# Altium PCB Aixcel_Tiny_STLink_Board.PcbDoc (continued)
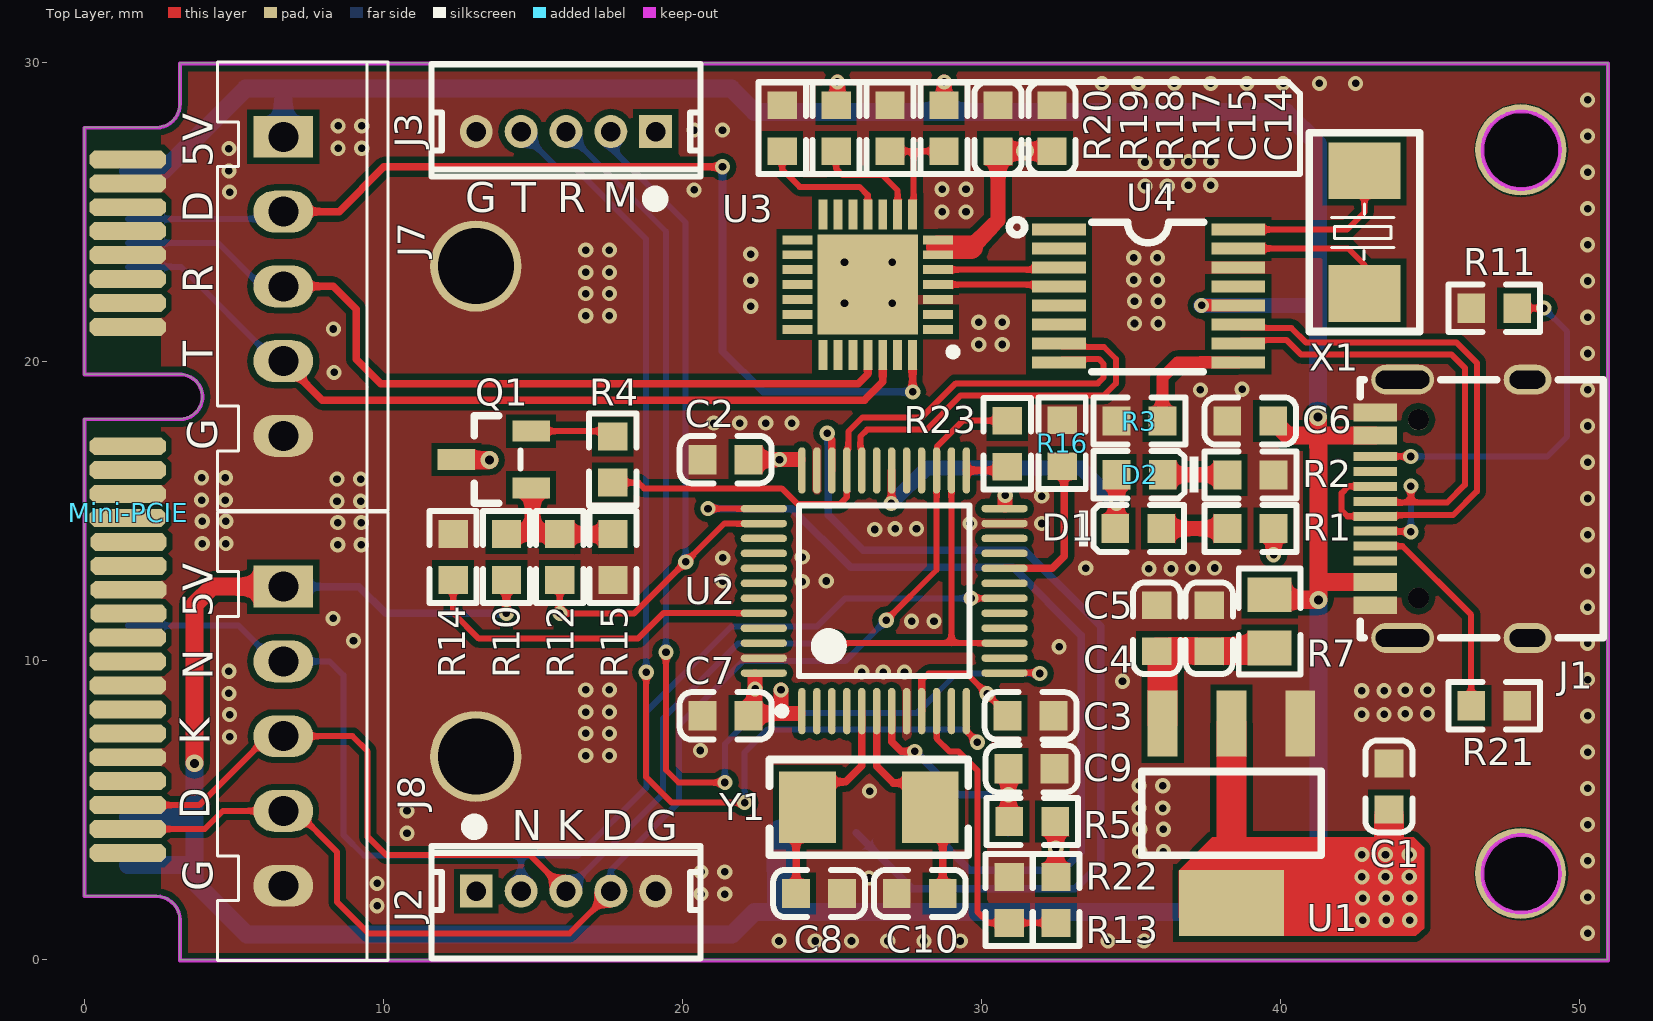
[diagram p0: Top Layer view]
## Part data
+5V CLK DIO GND RST: "测试点"
C1 C14: library part "0603 4.7uF (475) 10% 16V", "贴片电容", Package=0603, SuppliersPartNumber=C19666, ComponentLink1Description=供应商链接, ComponentLink1URL=http://www.szlcsc.com/product/details_20375.html, Supplier=LC
C2 C3 C4 C9 C15: library part "0603 100nF (104) 10% 50V", "贴片电容", Package=0603, SuppliersPartNumber=C14663, ComponentLink1Description=供应商链接, ComponentLink1URL=http://www.szlcsc.com/product/details_15331.html, Supplier=LC
C5 C6: library part "0603 10uF (106) 10% 10V", "贴片电容", Package=0603, SuppliersPartNumber=C19702, ComponentLink1Description=供应商链接, ComponentLink1URL=http://www.szlcsc.com/product/details_20411.html, Supplier=LC
C7: library part "0603 1uF (105) 10% 50V", "贴片电容", Package=0603, SuppliersPartNumber=C15849, ComponentLink1Description=供应商链接, ComponentLink1URL=http://www.szlcsc.com/product/details_16531.html, Supplier=LC
C8 C10: library part "0603 20pF (200) 5% 50V", "贴片电容", Package=0603, SuppliersPartNumber=C1648, ComponentLink1Description=供应商链接, ComponentLink1URL=http://www.szlcsc.com/product/details_2000.html, Supplier=LC
D1: library part "0603 红灯", "发光二极管", Package=0603, SuppliersPartNumber=C2286, ComponentLink1Description=供应商链接, ComponentLink1URL=http://www.szlcsc.com/product/details_2659.html, Supplier=LC
D2: library part "0603 绿灯", "发光二极管", Package=0603, SuppliersPartNumber=C72043, ComponentLink1Description=供应商链接, ComponentLink1URL=http://www.szlcsc.com/product/details_73152.html, Supplier=LC
J1: BOM_JLCPCB Part Class="Extended Part", BOM_Manufacturer=XUNPU, BOM_Manufacturer Part=TYPEC-304-BCP16, BOM_Supplier=LCSC, BOM_Supplier Part=C720629, Contributor=LCSC, spicePre=U, spiceSymbolName=TYPEC-304-BCP16
J2 J3 J7 J8: library part SIP-5
Q1: library part "SOT-23 MMBT5551  G1", "三极管", Package=SOT-23, SuppliersPartNumber=C2145, ComponentLink1Description=供应商链接, ComponentLink1URL=http://www.szlcsc.com/product/details_2502.html, Supplier=LC
R1 R11 R21: library part "0603 5.1KΩ (5101) 1%", "贴片电阻", Package=0603, SuppliersPartNumber=C23186, ComponentLink1Description=供应商链接, ComponentLink1URL=http://www.szlcsc.com/product/details_23913.html, Supplier=LC
R2 R5 R10 R14 R16 R20: library part "0603 10KΩ (1002) 1%", "贴片电阻", Package=0603, SuppliersPartNumber=C25804, ComponentLink1Description=供应商链接, ComponentLink1URL=http://www.szlcsc.com/product/details_26547.html, Supplier=LC
R3: library part "0603 2.7KΩ (2701) 1%", "贴片电阻", Package=0603, SuppliersPartNumber=C13167, ComponentLink1Description=供应商链接, ComponentLink1URL=http://www.szlcsc.com/product/details_13814.html, Supplier=LC
R4: library part "0603 1.5KΩ (1501) 1%", "贴片电阻", Package=0603, SuppliersPartNumber=C22843, ComponentLink1Description=供应商链接, ComponentLink1URL=http://www.szlcsc.com/product/details_23570.html, Supplier=LC
R7: library part "0805 0Ω (0R0) 1%", "贴片电阻", Package=0805, SuppliersPartNumber=C17477, ComponentLink1Description=供应商链接, ComponentLink1URL=http://www.szlcsc.com/product/details_18165.html, Supplier=LC
R12 R23: library part "0603 100Ω (1000) 1%", "贴片电阻", Package=0603, SuppliersPartNumber=C22775, ComponentLink1Description=供应商链接, ComponentLink1URL=http://www.szlcsc.com/product/details_23502.html, Supplier=LC
R13 R22: library part "0603 4.7KΩ (4701) 1%", "贴片电阻", Package=0603, SuppliersPartNumber=C23162, ComponentLink1Description=供应商链接, ComponentLink1URL=http://www.szlcsc.com/product/details_23889.html, Supplier=LC
R15: library part "0603 36KΩ (3602) 1%", "贴片电阻", Package=0603, SuppliersPartNumber=C23147, ComponentLink1Description=供应商链接, ComponentLink1URL=http://www.szlcsc.com/product/details_23874.html, Supplier=LC
R17: library part "0603 22KΩ (2202) 1%", "贴片电阻", Package=0603, SuppliersPartNumber=C31850, ComponentLink1Description=供应商链接, ComponentLink1URL=http://www.szlcsc.com/product/details_32812.html, Supplier=LC
R18: library part "0603 47KΩ (4702) 1%", "贴片电阻", Package=0603, SuppliersPartNumber=C25819, ComponentLink1Description=供应商链接, ComponentLink1URL=http://www.szlcsc.com/product/details_26562.html, Supplier=LC
R19: library part "0603 2.2KΩ (2201) 1%", "贴片电阻", Package=0603, SuppliersPartNumber=C4190, ComponentLink1Description=供应商链接, ComponentLink1URL=http://www.szlcsc.com/product/details_4597.html, Supplier=LC
U1: library part "SOT-223 AMS1117-3.3", "低压差线性稳压(LDO)", Package=SOT-223, SuppliersPartNumber=C6186, ComponentLink1Description=供应商链接, ComponentLink1URL=http://www.szlcsc.com/product/details_6652.html, Supplier=LC
U2: "ARM Cortex-M3 32-bit MCU, 128 KB Flash, 20 KB Internal RAM, 37 I/Os, 48-pin LQFP, -40 to 85 degC, Tray", I/Os (High Current)=37, Operating Frequency(F) (Processor speed) (MHz)=72, Supplier Part Number 1=497-6288-ND, Supply Voltage(Vcc) min (V)=2, A/D Converter="2x12-bit (10 Channel)", ComponentLink1Description="Manufacturer URL", ComponentLink1URL=http://www.st.com/web/en/home.html, ComponentLink2Description=Datasheet, ComponentLink2URL=http://www.st.com/st-web-ui/static/active/en/resource/technical/document/datasheet/CD00161566.pdf, ComponentLink3Description="Package Specification", ComponentLink3URL=http://www.st.com/st-web-ui/static/active/en/resource/technical/document/datasheet/DM00058181.pdf, Core="ARM Cortex-M3", DatasheetVersion="Rev. 16", FLASH Size (Prog) (kB)=128, Internal RAM Size (kB)=20, Mounting Technology="Surface Mount", PackageDescription="48-Pin Low Profile Quad Flat Package, 7 x 7 mm Body, 0.5 mm Pitch", PackageReference=LQFP48, PackageVersion="Rev. 6, 06/2013", Packing=Tray, PartNumber=STM32F103CBT6, Supplier 1=Digi-Key, Supplier 2=Farnell, Supplier 3=Newark, Supplier 4=Newark, Supplier 5=Mouser, Supplier Part Number 2=1606327, Supplier Part Number 3=11N8296, Supplier Part Number 4=57P1214, Supplier Part Number 5=511-STM32F103CBT6
U3: "Integrated Circuit", Manufacturer_Name="Silicon Labs", Mouser2 Part Number=634-CP2102NA02GQFN28, Datasheet Link=https://componentsearchengine.com/Datasheets/1/CP2102N-A02-GQFN28.pdf, Height=0.8mm, Manufacturer_Part_Number=CP2102N-A02-GQFN28, Mouser2 Price/Stock=https://www.mouser.com/Search/Refine.aspx?Keyword=634-CP2102NA02GQFN28
U4: BOM_LCSC Assembly=Yes, BOM_Supplier=zhqsoft, Contributor=私有工程, SMT Type=Extend, spicePre=U, spiceSymbolName=FE8.1
X1: BOM_JLCPCB Part Class="Extended Part", BOM_Manufacturer=YXC, BOM_Manufacturer Part=X503212MSD2GC, BOM_Supplier=LCSC, BOM_Supplier Part=C33728, nameAlias=Frequency, spicePre=X, spiceSymbolName=X503212MSD2GC
Y1: library part "SMD-5032_2P 8MHz 20ppm 20pF", "贴片晶振", Package=SMD-5032_2P, SuppliersPartNumber=C115962, ComponentLink1Description=供应商链接, ComponentLink1URL=http://www.szlcsc.com/product/details_117214.html, Supplier=LC

## Free pads (board coordinates)
  round 3.048 hole 2.54: 0(48.047,27.089) 1(48.038,2.889) 2(13.1,6.8) 3(13.1,23.2)

## Via types
v1: diameter 0.508, hole 0.254, Top Layer to Bottom Layer, tented both sides, 223 vias
v2: diameter 0.6, hole 0.3, Top Layer to Bottom Layer, tented both sides, 5 vias

## Nets (pads, with @x,y where several pads share a name; then routed paths per layer and width w, separated by ;. In a path a pad name is that pad's centre, name@x,y a point inside that pad or via, vN(x,y) a via of type N, cw(c..) or ccw(c..) an arc to the next point about the centre after c; other vN are vias at no path point)
BOOT0: R14.2 U2.44 | length 12.2
  Top Layer w0.2: R14.2 12.342,11.598 13.2,10.74 18.518,10.74 19.37,11.592 U2.44
CDC_RX: J3.3 U2.13 | length 38.8
  Top Layer w0.2: v1(19.46,10.29) 19.46,6.35 19.88,5.93 v1(21.43,5.93) ; U2.13 30.793,9.602 v1@31.906,9.602
  Bottom Layer w0.2: J3.3 19.46,24.356 v1(19.46,10.29) ; J3.3@16.116,27.824 J3.3@16.116,27.85 ; v1(21.43,5.93) 21.43,7.22 22.46,8.25 27.85,8.25 29.176,9.576 v1(31.96,9.576)
CDC_TX: J3.4 U2.12 | length 38
  Top Layer w0.2: v1(18.8,9.62) 18.8,6.11 19.65,5.26 v1(22.09,5.26) ; U2.12@29.508,7.81 29.508,7.653 v1@29.881,7.281
  Bottom Layer w0.2: J3.4 15.856,26.46 16.44,26.46 18.8,24.1 v1(18.8,9.62) ; v1(22.09,5.26) 22.09,6.94 22.86,7.71 29.442,7.71 v1(29.876,7.276)
CP2102_FS_N: U3.5 U4.3 | length 4.1
  Top Layer w0.2: U3.5 32.456,23.08 U4.3@32.598,23.222
CP2102_FS_P: U3.4 U4.4 | length 4
  Top Layer w0.2: U3.4 28.564,22.584 32.594,22.584 U4.4@32.598,22.587
DTR_SIG: J7.2 Mini-PCIE.6 U3.28 | length 34.8
  Top Layer w0.254: J7.2 8.534,25.024 10.03,26.52 v1(21.35,26.52) ; v1@27.71,19.084 U3.28
  Bottom Layer w0.2: Mini-PCIE.6 6.416,24.776 J7.2
  Bottom Layer w0.254: v1(21.35,26.52) 21.35,20.36 22.716,18.994 v1(27.71,18.994)
GND: C1.1 C2.2 C3.2 C4.1 C5.1 C6.1 C7.2 C8.1 C9.2 C10.1 C14.1 C15.1 GND.1 J1.13 J1.14 J1.15 J1.16 J1.A1B12 J1.B1A12 J2.5 J3.5 J7.5 J8.5 Mini-PCIE.3 Mini-PCIE.9 Mini-PCIE.12 Mini-PCIE.15 Mini-PCIE.18 Mini-PCIE.21 Mini-PCIE.26 Mini-PCIE.29 Mini-PCIE.34 Mini-PCIE.37 Mini-PCIE.40 Mini-PCIE.43 pad.0 pad.1 pad.2 pad.3 R2.2 R3.2 R11.1 R14.1 R15.1 R16.1 R18.1 R20.2 R21.2 R22.1 U1.1 U2.8 U2.23 U2.35 U2.47 U3.3 U3.29 U4.14
  other v1: 23.24,0.63 24.452,0.63 25.664,0.63 26.875,0.63 28.087,0.63 29.299,0.63 34.238,0.63 35.45,0.63 50.28,0.888 9.8,1.811 50.28,2.1 20.635,2.198 21.425,2.198 9.8,2.555 26.25,2.736 20.635,2.942 21.425,2.942 50.28,3.312 35.305,3.622 36.095,3.622 10.8,4.236 35.305,4.366 36.095,4.366 50.28,4.524 10.8,4.98 35.282,5.076 36.073,5.076 26.27,5.644 50.28,5.735 35.282,5.82 36.073,5.82 16.777,6.83 17.568,6.83 50.28,6.947 20.612,7 4.868,7.456 16.777,7.574 17.568,7.574 50.28,8.159 4.868,8.2 42.73,8.207 43.474,8.207 44.184,8.23 44.928,8.23 16.777,8.284 17.568,8.284 4.845,8.91 42.73,8.998 43.474,8.998 16.777,9.028 17.568,9.028 44.184,9.021 44.928,9.021 34.726,9.316 50.28,9.371 26.01,9.622 26.724,9.622 27.438,9.622 4.845,9.654 32.606,10.472 50.28,10.583 9.01,10.671 27.676,11.322 28.424,11.322 8.33,11.419 50.28,11.794 24.016,12.648 21.36,12.671 24.818,12.671 50.28,13.006 33.498,13.1 35.61,13.082 36.354,13.082 37.064,13.105 37.808,13.105 21.36,13.441 24.016,13.469 8.481,13.88 9.272,13.88 3.955,13.922 4.745,13.922 50.28,14.218 26.444,14.393 27.124,14.416 27.838,14.416 29.627,14.592 32.028,14.592 8.481,14.624 9.272,14.624 3.955,14.666 4.745,14.666 8.458,15.334 9.249,15.334 3.932,15.376 4.723,15.376 50.28,15.43 32.028,15.51 8.458,16.078 9.249,16.078 3.932,16.12 4.723,16.12 50.28,16.642 50.28,17.854 21.055,17.95 21.927,17.95 22.798,17.95 23.67,17.95 37.332,19.059 50.28,19.065 38.726,19.082 8.361,19.644 50.28,20.277 29.918,20.58 30.709,20.58 8.338,21.098 35.127,21.28 35.918,21.28 29.918,21.324 30.709,21.324 50.28,21.489 16.777,21.537 17.568,21.537 22.294,21.859 25.432,21.964 27.03,21.964 35.127,22.024 35.918,22.024 16.777,22.281 17.568,22.281 50.28,22.701 22.294,22.729 35.105,22.734 35.895,22.734 16.777,22.991 17.568,22.991 25.432,23.324 27.03,23.324 35.105,23.478 35.895,23.478 22.294,23.6 16.777,23.735 17.568,23.735 50.28,23.913 28.693,25.012 29.494,25.012 50.28,25.125 4.868,25.674 20.4,25.75 28.693,25.772 29.494,25.772 35.48,25.882 36.224,25.882 36.934,25.905 37.678,25.905 50.28,26.336 4.845,26.384 35.48,26.673 36.224,26.673 36.934,26.695 37.678,26.695 4.845,27.128 8.495,27.144 9.286,27.144 50.28,27.548 20.4,27.75 21.35,27.75 8.495,27.888 9.286,27.888 50.28,28.76 34.04,29.31 35.252,29.31 36.464,29.31 37.675,29.31 38.887,29.31 40.099,29.31 41.311,29.31 42.523,29.31
LED_STLINK: D1.K D2.A U2.30 | length 11.5
  Top Layer w0.2: v1@26.996,15.198 v1@27.002,15.204 ; U2.30@27.002,16.361 U2.30
  Top Layer w0.254: v1@27.002,15.204 U2.30@27.002,16.361
  Top Layer w0.5: D1.K 34.53,14.47 D2.A
  Bottom Layer w0.5: v1(26.996,15.266) 28.186,16.456 33.332,16.456 v1(34.522,15.266)
MCU_FS_N: U2.32 U4.7 | length 13.4
  Top Layer w0.2: U2.32 26.008,17.031 25.958,17.081 25.958,17.502 26.188,17.732 28.172,17.732 29.318,18.878 34.11,18.878 34.51,19.278 34.51,20.094 34.107,20.497 33.517,20.497 33.503,20.511 32.701,20.511 U4.7
MCU_FS_P: R4.1 U2.33 U4.8 | length 21.8
  Top Layer w0.2: R4.1 18.538,15.962 18.73,15.77 23.33,15.77 23.853,15.247 25.283,15.247 25.508,15.472 U2.33 25.508,17.031 25.558,17.081 25.558,17.667 26.031,18.14 28.014,18.14 29.152,19.278 33.903,19.278 34.098,19.473 34.098,19.928 33.929,20.097 33.517,20.097 33.503,20.083 32.701,20.083 U4.8
NetC8_2: C8.2 U2.5 Y1.1 | length 6.6
  Top Layer w0.254: C8.2 Y1.1@23.812,4.714 ; Y1.1@23.88,4.714 24.266,5.1 Y1.1@24.266,5.35 ; Y1.1@24.786,5.95 25.466,5.95 26.008,6.492 U2.5
NetC10_2: C10.2 U2.6 Y1.2 | length 7.5
  Top Layer w0.254: U2.6 26.508,6.472 27.064,5.916 Y1.2@27.475,5.916 ; Y1.2@27.475,5.95 28.298,5.127 Y1.2 ; Y1.2@28.366,5.35 28.366,5.1 Y1.2@28.786,4.68 ; C10.2 Y1.2@28.718,4.68
NetD1_A: D1.A R1.2 | length 2.2
  Top Layer w0.5: D1.A R1.2
NetD2_K: D2.K R2.1 | length 2.2
  Top Layer w0.5: D2.K 36.075,16.222 38.232,16.222 R2.1
NetJ1_A5: J1.A5 R21.1 | length 7.2
  Top Layer w0.2: J1.A5 44.09,13.834 46.388,11.536 R21.1
NetJ1_B5: J1.B5 R11.2 | length 12.2
  Top Layer w0.2: J1.B5 v1(44.368,16.834) ; R11.2 v1(48.812,21.794)
  Bottom Layer w0.2: v1(44.368,16.834) 48.93,16.834 49.59,17.494 49.59,21.016 v1(48.812,21.794)
NetQ1_1: Q1.1 R10.1 R12.2 R15.2 | length 5.1
  Top Layer w0.5: R10.1 15,14.238 ; Q1.1 15,15.734 15,14.238 ; R15.2 15,14.238
NetQ1_2: Q1.2 R4.2 | length 2.9
  Top Layer w0.2: Q1.2@14.884,17.682 17.5,17.682 R4.2
NetR3_1: R3.1 U4.9 | length 3.9
  Top Layer w0.4: R3.1@36.062,18.326 36.062,19.47 36.571,19.979 U4.9
NetR13_1: R13.1 R22.2 U2.10 | length 10.2
  Top Layer w0.2: U2.10 28.518,8.307 28.518,7.386 28.934,6.97 29.24,6.97 29.886,6.324 29.886,1.598 30.248,1.236 R22.2 R13.1
NetR16_2: R16.2 U2.20 | length 5.2
  Top Layer w0.254: U2.20 32.37,13.092 32.773,13.495 R16.2@32.773,16.505
NetR17_2: R17.2 R18.2 U3.8 | length 3.9
  Top Layer w0.2: R18.2 27.744,27.042 ; U3.8 27.744,24.964 27.744,27.042 ; R17.2@28.734,27.042 27.744,27.042
NetR19_2: R19.2 U3.9 | length 3.7
  Top Layer w0.2: R19.2 25.15,26.462 25.364,26.248 26.69,26.248 27.208,25.73 27.208,24.932 U3.9
NetR20_1: R20.1 U3.11 | length 4.5
  Top Layer w0.2: R20.1 23.345,26.431 23.928,25.848 25.934,25.848 26.21,25.572 U3.11
NetU4_15: U4.15 X1.2 | length 5.4
  Top Layer w0.2: U4.15 42.273,23.79 42.819,23.243 X1.2
NetU4_16: U4.16 X1.1 | length 5.8
  Top Layer w0.2: U4.16 42.24,24.425 42.819,25.003 X1.1
NRST: C9.1 R5.1 RST.1 U2.7 | length 8.7
  Top Layer w0.2: R5.1@30.918,4.646 R5.1
  Top Layer w0.254: U2.7 27.008,7.298 27.336,6.97 v1(27.778,6.97)
  Top Layer w0.5: R5.1@30.918,4.646 v1(30.918,5.519) C9.1
  Bottom Layer w0.254: v1(27.778,6.97) 29.229,5.519 v1(30.918,5.519) 30.912,5.513 30.912,4.256 RST.1
RXD: J7.3 Mini-PCIE.8 U3.25 | length 28.1
  Top Layer w0.254: J7.3 8.326,22.524 9.1,21.75 9.1,20.088 9.928,19.26 25.89,19.26 26.21,19.58 U3.25@26.21,19.89
  Bottom Layer w0.2: Mini-PCIE.8 4.48,23.975 5.932,22.524 J7.3
SWCLK: CLK.1 U2.37 | length 29.3
  Top Layer w0.2: v1(20.866,15.092) U2.37
  Top Layer w0.254: v1@20.789,14.994 20.866,14.994 v1(20.866,15.092)
  Bottom Layer w0.254: v1(20.866,15.092) 23.668,15.092 25.636,13.124 31.076,13.124 33.354,10.846 33.354,3.622 32.724,2.992 29.624,2.992 CLK.1
SWDIO: DIO.1 U2.34 | length 31.9
  Top Layer w0.254: v1(24.854,17.612) 24.854,17.543 25.006,17.391 25.006,16.369 U2.34
  Bottom Layer w0.254: v1@24.888,17.612 24.888,14.878 26.064,13.702 31.45,13.702 34,11.152 34,3.23 33.15,2.38 27.696,2.38 DIO.1
T_NRST: J2.2 J8.2 Mini-PCIE.32 U2.18 | length 41.9
  Top Layer w0.2: v1(29.661,12.092) U2.18
  Bottom Layer w0.2: Mini-PCIE.32 5.168,11.176 6.364,9.98 J8.2 8.21,9.98 8.67,9.52 8.67,4.182 9.362,3.49 14.616,3.49 ; J2.2 14.616,3.49 ; v1(29.661,12.092) 25.454,12.092 24.514,11.152 21.65,11.152 18.812,8.314 18.812,5.778 16.524,3.49 14.616,3.49
T_SWCLK: J2.3 J8.3 Mini-PCIE.47 U2.15 U2.26 | length 44.9
  Top Layer w0.2: Mini-PCIE.47 3.85,5.176 6.154,7.48 J8.3 8.976,7.48 9.486,6.97 9.486,4.114 10.09,3.51 14.906,3.51 J2.3 ; v1(25.166,10.592) 29.008,10.592 ; U2.26 29.008,10.592 ; U2.15 29.008,10.592
  Bottom Layer w0.2: J2.3@16.028,2.208 J2.3@16.118,2.208 ; J2.3 19.356,5.54 19.356,8.066 21.877,10.587 v1@25.14,10.587 ; v1@25.14,10.57 v1@25.162,10.592
T_SWDIO: J2.4 J8.4 Mini-PCIE.49 R23.2 U2.27 | length 43.9
  Top Layer w0.2: Mini-PCIE.49 4.036,4.376 4.64,4.98 J8.4 7.09,4.98 8.466,3.604 8.466,1.928 9.51,0.884 16.234,0.884 J2.4@17.633,2.283 ; v1(26.826,11.356) 28.508,13.038 U2.27 28.518,16.377 28.518,17.162 29.387,18.032 R23.2
  Bottom Layer w0.2: J2.4@17.616,2.208 J2.4 17.616,3.002 19.9,5.286 19.9,7.858 22.042,10 25.47,10 v1(26.826,11.356)
T_SWDIO_IN: R23.1 U2.25 | length 1.4
  Top Layer w0.254: U2.25 30.747,16.367 R23.1
TXD: J7.4 Mini-PCIE.10 U3.26 | length 28.2
  Top Layer w0.254: J7.4 6.705,19.983 7.968,18.72 26.098,18.72 26.71,19.332 U3.26
  Bottom Layer w0.2: Mini-PCIE.10 3.243,23.175 6.394,20.024 J7.4
USB_N: J1.A7 J1.B7 U4.10 | length 18
  Top Layer w0.2: U4.10 38.701,20.718 39.503,20.718 39.517,20.732 40.208,20.732 40.702,20.238 45.736,20.238 46.176,19.797 46.176,15.882 45.587,15.293 44.37,15.293 ; J1.B7 43.187,14.324 44.36,14.324 v1(44.37,14.314) ; J1.A7@43.656,15.293 44.37,15.293 ; v1@44.37,15.854 v1(44.37,15.844) 44.37,15.293
  Bottom Layer w0.2: v1(44.37,14.314) v1(44.37,15.844) v1@44.387,15.827 ; v1@44.387,14.331 v1@44.404,14.314
USB_P: J1.A6 J1.B6 U4.11 | length 19
  Top Layer w0.2: U4.11 38.701,21.146 39.503,21.146 39.517,21.132 40.374,21.132 40.868,20.638 45.901,20.638 46.576,19.963 46.576,15.67 45.779,14.873 J1.A6@43.656,14.873 ; J1.A6 42.252,14.834 42.058,15.028 42.058,15.606 42.286,15.834 J1.B6
USB_RENUM: J3.2 R12.1 U2.38 | length 24.8
  Top Layer w0.2: R12.1@15.904,12.69 15.912,12.682 v1(15.912,11.587) ; v1@15.912,11.545 v1(15.912,11.587) ; U2.38 21.412,14.592 20.13,13.31 v1(20.12,13.31) 18.397,11.587 v1(15.912,11.587)
  Bottom Layer w0.2: J3.2@17.616,27.85 17.616,27.164 20.12,24.66 v1(20.12,13.31)
VBUS_5V: +5V.1 C6.2 J1.A4B9 J1.B4A9 J7.1 J8.1 Mini-PCIE.2 Mini-PCIE.48 Mini-PCIE.52 R7.2 R10.2 R17.1 U4.12 | length 150.3
  Top Layer w0.254: v1(14.124,11.587) R10.2@14.124,12.698
  Top Layer w0.4: v1@37.34,21.884 v1(37.374,21.884) U4.12
  Top Layer w0.5: R17.1@28.764,28.587 v1(28.764,29.36)
  Top Layer w0.6: v2(3.692,6.574) 3.692,11.886 4.286,12.48 J8.1 ; R17.1 R17.1@28.764,28.587 ; R7.2@39.5,12.036 v2(41.276,12.036) 41.276,12.634 ; C6.2 40.254,17.534 41.264,17.534 ; v2(41.264,18.156) 41.264,17.534 ; 41.276,17.5 41.276,17.158 ; 41.412,17.534 J1.B4A9 ; J1.A4B9 41.276,12.634 ; 41.264,17.534 41.264,17.17 41.276,17.158 ; 41.276,12.634 41.276,17.158
  Bottom Layer w0.254: J8.1 9.19,12.48 10.083,11.587 v1(14.124,11.587)
  Bottom Layer w0.4: J8.1@6.368,12.776 J8.1 ; 41.106,21.884 41.264,21.726
  Bottom Layer w0.5: 28.764,28.322 28.764,28.356 v1(28.764,29.36) ; v1@37.34,21.884 v1(37.374,21.884) 41.106,21.884
  Bottom Layer w0.6: Mini-PCIE.52 3.692,3.176 ; Mini-PCIE.48 3.638,4.776 ; Mini-PCIE.2 2.644,26.376 5.406,29.138 6.596,29.138 ; v2(3.692,6.574) 3.692,3.176 ; J7.1 6.664,29.138 21.646,29.138 22.428,28.356 28.764,28.356 40.188,28.356 41.264,27.28 41.264,21.726 v2(41.264,18.156) ; v2(41.276,12.036) 41.276,2.55 40.326,1.6 22.419,1.6 21.669,0.85 5.44,0.85 3.692,2.598 3.692,3.176
  Bottom Layer w0.9: 23.286,1.771 +5V.1
VCC_3V3: C1.2 C2.1 C3.1 C7.1 C14.2 C15.2 J2.1 J3.1 Q1.3 R1.1 R5.2 R13.2 R19.1 U1.2 U2.1 U2.9 U2.24 U2.36 U2.48 U3.6 U3.7 | length 27.9
  Top Layer w0.2: U2.9 U2.9@28.018,8.327 ; 28.018,9.352 28.242,9.576 29.519,9.576 C3.1@30.935,8.16
  Top Layer w0.254: U2.9@28.018,8.327 28.018,9.352
  Top Layer w0.3: U3.6 28.56,23.83 U3.7
  Top Layer w0.5: Q1.3@12.384,16.732 Q1.3@12.403,16.713 ; v2(13.564,16.713) v2@13.566,16.711 ; C7.1 C7.1@22.303,8.239 ; C2.1@22.405,16.547 C2.1 23.883,16.728 ; 22.439,9.467 22.439,8.375 C7.1@22.303,8.239 ; v1(23.307,9.027) 23.305,9.025 23.305,8.254 23.29,8.239 ; 23.883,8.239 23.29,8.239 ; R19.1 25.194,28.626 v1(25.194,29.36) ; 29.663,23.83 30.563,24.731 C15.2 ; 30.802,15.217 v1(30.804,15.538) v1(30.804,15.538) ; R5.2 32.492,4.612 32.492,2.788 R13.2 ; R1.1 39.777,14.423 39.777,13.551 v1(39.778,13.55) ; C7.1@22.303,8.239 23.29,8.239
  Top Layer w0.6: Q1.3@12.403,16.713 v2(13.564,16.713) ; C15.2 v2(31.466,27.042) C14.2
  Top Layer w0.8: 28.56,23.83 29.663,23.83
  Top Layer w1: 38.37,3.57 U1.2@38.37,7.9 ; v1@43.64,3.58 C1.2@43.64,4.81
  other v1: 42.755,1.322 43.545,1.322 44.336,1.322 42.755,2.066 43.545,2.066 44.336,2.066 42.732,2.776 43.523,2.776 44.313,2.776 42.732,3.52 43.523,3.52 44.313,3.52 32.492,3.74 30.2,8.9 22.44,9.061 23.256,16.728
VCC_5V: C4.2 C5.2 R7.1 U1.3 | length 6
  Top Layer w0.9: C5.2 35.885,10.335 39.405,10.335 R7.1@39.5,10.43
  Top Layer w1: U1.3 C5.2@36.07,10.27
pads on no net: J1. J1.A8 J1.B8 Mini-PCIE.1 Mini-PCIE.4 Mini-PCIE.5 Mini-PCIE.7 Mini-PCIE.11 Mini-PCIE.13 Mini-PCIE.14 Mini-PCIE.16 Mini-PCIE.17 Mini-PCIE.19 Mini-PCIE.20 Mini-PCIE.22 Mini-PCIE.23 Mini-PCIE.24 Mini-PCIE.25 Mini-PCIE.27 Mini-PCIE.28 Mini-PCIE.30 Mini-PCIE.31 Mini-PCIE.33 Mini-PCIE.35 Mini-PCIE.36 Mini-PCIE.38 Mini-PCIE.39 Mini-PCIE.41 Mini-PCIE.42 Mini-PCIE.44 Mini-PCIE.45 Mini-PCIE.46 Mini-PCIE.50 Mini-PCIE.51 U2.2 U2.3 U2.4 U2.11 U2.14 U2.16 U2.17 U2.19 U2.21 U2.22 U2.28 U2.29 U2.31 U2.39 U2.40 U2.41 U2.42 U2.43 U2.45 U2.46 U3.1 U3.2 U3.10 U3.12 U3.13 U3.14 U3.15 U3.16 U3.17 U3.18 U3.19 U3.20 U3.21 U3.22 U3.23 U3.24 U3.27 U4.1 U4.2 U4.5 U4.6 U4.13

## Polygon pours and split planes (outlines as drawn)
GND on Top Layer "Top Layer-GND" (solid, remove dead copper, pour order 14): 2.58,0.012 2.608,-0.016 50.957,-0.016 50.957,29.984 2.58,29.984
no net on Top Layer "Top Layer-No Net 1" (solid, remove dead copper, pour order 8): 2.584,0.004
no net on Top Layer "Top Layer-No Net" (solid, remove dead copper, pour order 2): 0.01,-0.019
GND on Bottom Layer "Bottom Layer-GND" (solid, remove dead copper, pour order 16): 2.623,0.011 50.966,0.011 50.966,30.011 2.589,30.011 2.589,0.034
no net on Bottom Layer "Bottom Layer-No Net 1" (solid, remove dead copper, pour order 12): 2.483,-0.018
no net on Bottom Layer "Bottom Layer-No Net" (solid, remove dead copper, pour order 6): 2.483,-0.018
GND on GND Layer (split plane): 50.442,0.51 3.711,0.51 3.711,1.343 3.71,1.352 3.702,1.489 3.678,1.634 3.637,1.775 3.581,1.911 3.51,2.04 3.425,2.159 3.327,2.269 3.217,2.367 3.098,2.452 2.969,2.523 2.833,2.579 2.692,2.62 2.547,2.644 2.41,2.652 2.401,2.653 0.51,2.653 0.51,17.588 3.201,17.588 3.206,17.589 3.345,17.596 3.484,17.62 3.619,17.659 3.749,17.713 3.872,17.781 3.987,17.862 4.092,17.956 4.185,18.061 4.267,18.175 4.335,18.298 4.389,18.428 4.427,18.564 4.451,18.702 4.459,18.843 4.451,18.983 4.427,19.122 4.389,19.257 4.335,19.387 4.267,19.51 4.185,19.624 4.092,19.729 3.987,19.823 3.872,19.904 3.749,19.972 3.619,20.026 3.484,20.065 3.345,20.089 3.287,20.092 3.277,20.093 3.248,20.096 0.516,20.096 0.516,27.332 2.401,27.332 2.41,27.333 2.547,27.341 2.692,27.365 2.833,27.406 2.969,27.462 3.098,27.533 3.217,27.618 3.327,27.716 3.425,27.826 3.51,27.946 3.581,28.074 3.637,28.21 3.678,28.351 3.702,28.496 3.71,28.633 3.711,28.643 3.711,29.482 50.442,29.482
VCC_3V3 on PWR Layer (split plane): 50.442,0.51 3.711,0.51 3.711,1.343 3.71,1.352 3.702,1.489 3.678,1.634 3.637,1.775 3.581,1.911 3.51,2.04 3.425,2.159 3.327,2.269 3.217,2.367 3.098,2.452 2.969,2.523 2.833,2.579 2.692,2.62 2.547,2.644 2.41,2.652 2.401,2.653 0.51,2.653 0.51,17.588 3.201,17.588 3.206,17.589 3.345,17.596 3.484,17.62 3.619,17.659 3.749,17.713 3.872,17.781 3.987,17.862 4.092,17.956 4.185,18.061 4.267,18.175 4.335,18.298 4.389,18.428 4.427,18.564 4.451,18.702 4.459,18.843 4.451,18.983 4.427,19.122 4.389,19.257 4.335,19.387 4.267,19.51 4.185,19.624 4.092,19.729 3.987,19.823 3.872,19.904 3.749,19.972 3.619,20.026 3.484,20.065 3.345,20.089 3.287,20.092 3.277,20.093 3.248,20.096 0.516,20.096 0.516,27.332 2.401,27.332 2.41,27.333 2.547,27.341 2.692,27.365 2.833,27.406 2.969,27.462 3.098,27.533 3.217,27.618 3.327,27.716 3.425,27.826 3.51,27.946 3.581,28.074 3.637,28.21 3.678,28.351 3.702,28.496 3.71,28.633 3.711,28.643 3.711,29.482 50.442,29.482

## Other copper
Top Layer:
  region net VCC_3V3: 36.613,2.983 37.73,4.1 44.46,4.1 44.81,3.75 44.81,1.052 44.53,0.81 37.213,0.81 36.613,1.41
Bottom Layer:
  region net VCC_3V3: 44.46,0.92 44.728,1.188 44.728,3.692 44.464,3.956 42.566,3.956 42.3,3.69 42.3,1.18 42.56,0.92

## Silkscreen, mask and mechanical layers (free items; w line width, h text height)
Top Overlay:
  circle w0.6: c13.05,4.45 r0.141
  circle w0.6: c19.1,25.45 r0.141
  lines w0.2: 38.281,29.355 40.275,29.355 40.664,28.966 40.664,26.285 22.56,26.285 22.56,29.355 38.621,29.355
  text "5V" at 4.3,26.5 h1 r90
  text "G" at 12.75,25 h1
  text "T" at 14.283,25 h1
  text "R" at 15.817,25 h1
  text "M" at 17.35,25 h1
  text "D" at 4.3,24.65 h1 r90
  text "R" at 4.3,22.3 h1 r90
  text "T" at 4.3,19.85 h1 r90
  text "G" at 4.45,17.05 h1 r90
  text "5V" at 4.3,11.45 h1 r90
  text "N" at 4.3,9.371 h1 r90
  text "K" at 4.2,7.2 h1 r90
  text "D" at 4.2,4.7 h1 r90
  text "N" at 14.3,4 h1
  text "K" at 15.8,4 h1
  text "D" at 17.3,4 h1
  text "G" at 18.8,4 h1
  text "G" at 4.3,2.3 h1 r90
Bottom Overlay:
  lines w0.2: 33.114,21.012 33.114,16.104 42.534,16.104 42.534,28.458 33.114,28.458 33.114,21.028 ; 33.114,21.046 42.534,21.046 ; 33.114,23.516 42.534,23.516 ; 33.148,6.256 33.148,1.348 42.568,1.348 42.568,13.702 33.148,13.702 33.148,6.272 ; 33.148,6.29 42.568,6.29 ; 33.148,8.76 42.568,8.76 ; 33.15,18.575 42.534,18.575 ; 33.15,25.987 42.5,25.987 ; 33.184,3.819 42.568,3.819 ; 33.184,11.231 42.534,11.231
  lines w0.5: 8.16,12.498 9.01,11.648 9.01,13.348 8.16,12.498 ; 8.16,27.47 9.01,28.32 9.01,26.62 8.16,27.47
  text "VBUS_5V" at 42.194,26.622 h1
  text "USB_RENUM" at 42.194,24.182 h1
  text "RXD" at 42.194,21.741 h1
  text "O" at 29.002,19.38 h11
  text "TXD" at 42.194,19.301 h1
  text "Aixcel .Ltd" at 31.462,18.992 h3
  text "GND" at 42.194,16.694 h1
  text "VBUS_5V" at 42.228,11.866 h1
  text "NRST" at 42.228,9.426 h1
  text "JLCJLCJLCJLC" at 49.4,9.1 h1 r270
  text "SWCLK" at 42.228,6.985 h1
  text "SWDIO" at 42.228,4.545 h1
  text "GND" at 42.228,1.938 h1
Mechanical 1:
  circle w0.127: c48.043,2.893 r1.296
  circle w0.127: c48.051,27.093 r1.296
  lines w0.127: 0,2.143 0,18.098 3.201,18.098 ccw(c3.205,18.843) 3.248,19.585 0.005,19.585 0.005,27.843 2.401,27.843 ccw(c2.401,28.643) 3.201,28.643 3.201,29.992 50.953,29.992 50.953,0 3.201,0 3.201,1.343 ccw(c2.401,1.343) 2.401,2.143 0,2.143
Drill Drawing:
  circle w0.254: c-21.621,55.15 r0.5
  lines w0.254: -22.121,41.4 -21.871,41.4 -21.621,41.15 -21.371,41.4 -21.121,41.4 -21.371,41.65 -21.121,41.9 -21.371,41.9 -21.621,42.15 -21.871,41.9 -22.121,41.9 -21.871,41.65 -22.121,41.4 ; -22.121,43.4 -21.121,43.4 -21.121,44.4 -22.121,44.4 -22.121,43.4 ; -22.121,46.15 -21.621,45.65 -21.121,46.15 -21.621,46.65 -22.121,46.15 ; -22.121,47.9 -21.621,48.15 -21.121,47.9 -21.371,48.4 -21.121,48.9 -21.621,48.65 -22.121,48.9 -21.871,48.4 -22.121,47.9 ; -22.121,51.15 -21.121,51.15 -21.621,50.15 -22.121,51.15 ; -22.121,52.4 -22.121,52.65 -21.871,52.9 -22.121,53.15 -22.121,53.4 -21.871,53.4 -21.621,53.15 -21.371,53.4 -21.121,53.4 -21.121,53.15 -21.371,52.9 -21.121,52.65 -21.121,52.4 -21.371,52.4 -21.621,52.65 -21.871,52.4 -22.121,52.4 ; -22.121,57.15 -21.871,57.15 -21.871,56.9 -21.371,56.9 -21.371,57.15 -21.121,57.15 -21.121,57.65 -21.371,57.65 -21.371,57.9 -21.871,57.9 -21.871,57.65 -22.121,57.65 -22.121,57.15
  lines w0.381: -23.05,40.475 184.657,40.475 ; -23.05,58.475 184.657,58.475 ; -14.455,38.225 -14.455,60.725 ; -5.249,38.225 -5.249,60.725 ; 12.204,38.225 12.204,60.725 ; 20.125,38.225 20.125,60.725 ; 31.465,38.225 31.465,60.725 ; 54.166,38.225 54.166,60.725 ; 63.347,38.225 63.347,60.725 ; 74.866,38.225 74.866,60.725 ; 92.919,38.225 92.919,60.725 ; 106.058,38.225 106.058,60.725 ; 126.395,38.225 126.395,60.725 ; 146.732,38.225 146.732,60.725 ; 163.286,38.225 163.286,60.725 ; -23.05,38.225 184.657,38.225 184.657,60.725 -23.05,60.725 -23.05,38.225
  text "Symbol" at -21.7,59.15 h1.08
  text "Count" at -13.78,59.15 h1.08
  text "Hole Size" at -4.574,59.15 h1.08
  text "Plated" at 12.879,59.15 h1.08
  text "Hole Type" at 20.8,59.15 h1.08
  text "Drill Layer Pair" at 32.14,59.15 h1.08
  text "Via/Pad" at 54.841,59.15 h1.08
  text "Pad Shape" at 64.022,59.15 h1.08
  text "Template" at 75.541,59.15 h1.08
  text "Description" at 93.594,59.15 h1.08
  text "Hole Tolerance (+)" at 106.733,59.15 h1.08
  text "Hole Tolerance (-)" at 127.07,59.15 h1.08
  text "Hole Length" at 147.407,59.15 h1.08
  text "Routed Path Length" at 163.961,59.15 h1.08
  text "2" at -13.78,56.9 h0.9
  text "0.600mm (23.62mil)" at -4.574,56.9 h0.9
  text "PTH" at 12.879,56.9 h0.9
  text "Slot" at 20.8,56.9 h0.9
  text "Top Layer - Bottom Layer" at 32.14,56.9 h0.9
  text "Pad" at 54.841,56.9 h0.9
  text "Rounded" at 64.022,56.9 h0.9
  text "r100_160h60_120r100" at 75.541,56.9 h0.9
  text "1.200mm (47.24mil)" at 147.407,56.9 h0.9
  text "0.600mm (23.62mil)" at 163.961,56.9 h0.9
  text "2" at -13.78,54.65 h0.9
  text "0.600mm (23.62mil)" at -4.574,54.65 h0.9
  text "PTH" at 12.879,54.65 h0.9
  text "Slot" at 20.8,54.65 h0.9
  text "Top Layer - Bottom Layer" at 32.14,54.65 h0.9
  text "Pad" at 54.841,54.65 h0.9
  text "Rounded" at 64.022,54.65 h0.9
  text "r100_210h60_180r100" at 75.541,54.65 h0.9
  text "1.800mm (70.87mil)" at 147.407,54.65 h0.9
  text "1.200mm (47.24mil)" at 163.961,54.65 h0.9
  text "2" at -13.78,52.4 h0.9
  text "0.700mm (27.56mil)" at -4.574,52.4 h0.9
  text "NPTH" at 12.879,52.4 h0.9
  text "Round" at 20.8,52.4 h0.9
  text "Top Layer - Bottom Layer" at 32.14,52.4 h0.9
  text "Pad" at 54.841,52.4 h0.9
  text "Rounded" at 64.022,52.4 h0.9
  text "c70hn70" at 75.541,52.4 h0.9
  text "-" at 147.407,52.4 h0.9
  text "-" at 163.961,52.4 h0.9
  text "4" at -13.78,50.15 h0.9
  text "2.540mm (100.00mil)" at -4.574,50.15 h0.9
  text "PTH" at 12.879,50.15 h0.9
  text "Round" at 20.8,50.15 h0.9
  text "Top Layer - Bottom Layer" at 32.14,50.15 h0.9
  text "Pad" at 54.841,50.15 h0.9
  text "Rounded" at 64.022,50.15 h0.9
  text "c305h254" at 75.541,50.15 h0.9
  text "-" at 147.407,50.15 h0.9
  text "-" at 163.961,50.15 h0.9
  text "5" at -13.78,47.9 h0.9
  text "0.300mm (11.81mil)" at -4.574,47.9 h0.9
  text "PTH" at 12.879,47.9 h0.9
  text "Round" at 20.8,47.9 h0.9
  text "Top Layer - Bottom Layer" at 32.14,47.9 h0.9
  text "Via" at 54.841,47.9 h0.9
  text "Rounded" at 64.022,47.9 h0.9
  text "v60h30m0mx0" at 75.541,47.9 h0.9
  text "-" at 147.407,47.9 h0.9
  text "-" at 163.961,47.9 h0.9
  text "10" at -13.78,45.65 h0.9
  text "0.650mm (25.59mil)" at -4.574,45.65 h0.9
  text "PTH" at 12.879,45.65 h0.9
  text "Round" at 20.8,45.65 h0.9
  text "Top Layer - Bottom Layer" at 32.14,45.65 h0.9
  text "Pad" at 54.841,45.65 h0.9
  text "(Mixed)" at 64.022,45.65 h0.9
  text "(Mixed)" at 75.541,45.65 h0.9
  text "-" at 147.407,45.65 h0.9
  text "-" at 163.961,45.65 h0.9
  text "10" at -13.78,43.4 h0.9
  text "1.000mm (39.37mil)" at -4.574,43.4 h0.9
  text "PTH" at 12.879,43.4 h0.9
  text "Round" at 20.8,43.4 h0.9
  text "Top Layer - Bottom Layer" at 32.14,43.4 h0.9
  text "Pad" at 54.841,43.4 h0.9
  text "(Mixed)" at 64.022,43.4 h0.9
  text "(Mixed)" at 75.541,43.4 h0.9
  text "-" at 147.407,43.4 h0.9
  text "-" at 163.961,43.4 h0.9
  text "223" at -13.78,41.15 h0.9
  text "0.254mm (10.00mil)" at -4.574,41.15 h0.9
  text "PTH" at 12.879,41.15 h0.9
  text "Round" at 20.8,41.15 h0.9
  text "Top Layer - Bottom Layer" at 32.14,41.15 h0.9
  text "Via" at 54.841,41.15 h0.9
  text "Rounded" at 64.022,41.15 h0.9
  text "v51h25m0mx0" at 75.541,41.15 h0.9
  text "-" at 147.407,41.15 h0.9
  text "-" at 163.961,41.15 h0.9
  text "258 Total" at -13.78,38.9 h0.9
  text "Slot definitions :" at -21.7,36.517 h0.9
  text "Routed Path Length" at -5.919,36.517 h0.9
  text "= Calculated from tool start centre position to tool end centre position." at 10.912,36.517 h0.9
  text "Hole Length" at -5.919,34.81 h0.9
  text "= Routed Path Length + Tool Size = Slot length as defined in the PCB layout" at 4.764,34.81 h0.9